# KiCad board nyx.kicad_pcb (continued)
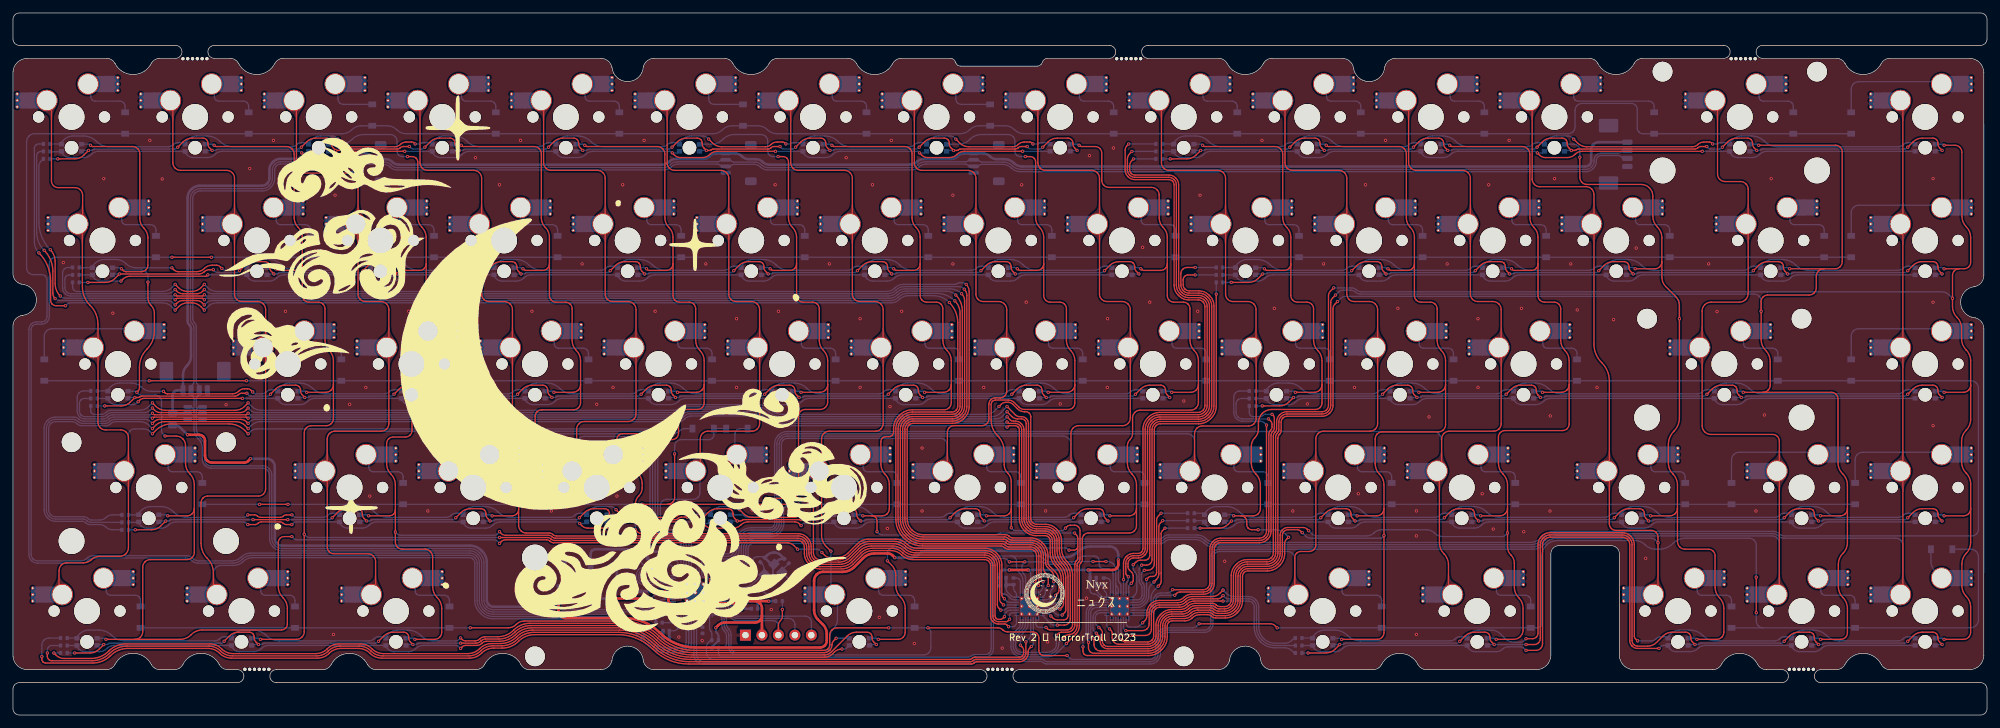
[diagram p0: board, top side]
## Copper pours and planes (outline as drawn; the poured copper is in the pictures) (continued)
Net-(D42-A) on Bottom: 235.94,57.24 235.99,57.55 236.12,57.74 236.31,57.88 236.53,58.02 236.75,58.25 235.41,59.22 234.9,57.65 235.14,57.6 235.37,57.58 235.56,57.55 235.69,57.45 235.74,57.24
Net-(D43-A) on Bottom: 266.89,57.24 266.95,57.55 267.08,57.74 267.27,57.88 267.49,58.02 267.7,58.25 266.37,59.22 265.86,57.65 266.1,57.6 266.32,57.58 266.51,57.55 266.65,57.45 266.69,57.24
Net-(D44-A) on Bottom: 294.08,59.47 294.75,59.38 295.19,59.12 295.52,58.76 295.86,58.33 296.35,57.88 297.33,59.22 296.81,60.78 296.18,60.51 295.31,59.94 294.81,59.75 294.08,59.67
Net-(D45-A) on Bottom: 24.01,38.19 24.06,38.5 24.19,38.69 24.38,38.83 24.6,38.97 24.82,39.2 23.48,40.17 22.97,38.6 23.21,38.55 23.44,38.53 23.63,38.5 23.76,38.4 23.81,38.19
Net-(D46-A) on Bottom: 54.96,38.19 55.01,38.5 55.15,38.69 55.34,38.83 55.56,38.97 55.77,39.2 54.44,40.17 53.93,38.6 54.17,38.55 54.39,38.53 54.58,38.5 54.71,38.4 54.76,38.19
Net-(D47-A) on Bottom: 74.01,38.19 74.06,38.5 74.2,38.69 74.39,38.83 74.61,38.97 74.82,39.2 73.49,40.17 72.98,38.6 73.22,38.55 73.44,38.53 73.63,38.5 73.76,38.4 73.81,38.19
Net-(D48-A) on Top: 93,42.52 92.91,42.12 92.68,41.92 92.35,41.81 91.96,41.7 91.57,41.5 92.54,40.17 94.11,40.68 93.9,41.11 93.66,41.41 93.44,41.68 93.27,42.02 93.2,42.52
Net-(D49-A) on Bottom: 111.2,43.32 111.12,42.62 110.91,42.13 110.63,41.74 110.32,41.31 110.03,40.7 111.59,40.17 112.92,41.14 112.49,41.61 112.08,41.94 111.73,42.26 111.49,42.68 111.4,43.32
Net-(D50-A) on Bottom: 131.16,38.19 131.21,38.5 131.35,38.69 131.54,38.83 131.76,38.97 131.97,39.2 130.64,40.17 130.13,38.6 130.37,38.55 130.59,38.53 130.78,38.5 130.91,38.4 130.96,38.19
Net-(D51-A) on Bottom: 150.21,38.19 150.26,38.5 150.4,38.69 150.59,38.83 150.81,38.97 151.02,39.2 149.69,40.17 149.18,38.6 149.42,38.55 149.64,38.53 149.83,38.5 149.96,38.4 150.01,38.19
Net-(D52-A) on Bottom: 169.26,38.19 169.31,38.5 169.45,38.69 169.64,38.83 169.86,38.97 170.07,39.2 168.74,40.17 168.23,38.6 168.47,38.55 168.69,38.53 168.88,38.5 169.01,38.4 169.06,38.19
Net-(D53-A) on Bottom: 188.31,38.19 188.36,38.5 188.5,38.69 188.69,38.83 188.91,38.97 189.12,39.2 187.79,40.17 187.28,38.6 187.52,38.55 187.74,38.53 187.93,38.5 188.06,38.4 188.11,38.19
Net-(D54-A) on Bottom: 207.36,38.19 207.41,38.5 207.55,38.69 207.74,38.83 207.96,38.97 208.17,39.2 206.84,40.17 206.33,38.6 206.57,38.55 206.79,38.53 206.98,38.5 207.11,38.4 207.16,38.19
Net-(D55-A) on Bottom: 226.41,38.19 226.46,38.5 226.6,38.69 226.79,38.83 227.01,38.97 227.22,39.2 225.89,40.17 225.38,38.6 225.62,38.55 225.84,38.53 226.03,38.5 226.16,38.4 226.21,38.19
Net-(D56-A) on Bottom: 252.61,38.19 252.66,38.5 252.79,38.69 252.98,38.83 253.2,38.97 253.42,39.2 252.08,40.17 251.57,38.6 251.81,38.55 252.04,38.53 252.23,38.5 252.36,38.4 252.41,38.19
Net-(D57-A) on Bottom: 275.03,40.42 275.7,40.33 276.14,40.07 276.47,39.71 276.81,39.28 277.3,38.83 278.28,40.17 277.76,41.73 277.13,41.46 276.26,40.89 275.76,40.7 275.03,40.62
Net-(D58-A) on Bottom: 294.08,40.42 294.75,40.33 295.19,40.07 295.52,39.71 295.86,39.28 296.35,38.83 297.33,40.17 296.81,41.73 296.18,41.46 295.31,40.89 294.81,40.7 294.08,40.62
Net-(D59-A) on Bottom: 14.48,19.14 14.53,19.45 14.67,19.64 14.86,19.78 15.08,19.92 15.29,20.15 13.96,21.12 13.45,19.55 13.69,19.5 13.91,19.48 14.1,19.45 14.23,19.35 14.28,19.14
Net-(D60-A) on Bottom: 38.29,19.14 38.35,19.45 38.48,19.64 38.67,19.78 38.89,19.92 39.1,20.15 37.77,21.12 37.26,19.55 37.5,19.5 37.72,19.48 37.91,19.45 38.05,19.35 38.09,19.14
Net-(D61-A) on Bottom: 62.11,19.14 62.16,19.45 62.29,19.64 62.48,19.78 62.7,19.92 62.92,20.15 61.58,21.12 61.07,19.55 61.31,19.5 61.54,19.48 61.73,19.45 61.86,19.35 61.91,19.14
Net-(D62-A) on Bottom: 133.54,19.14 133.6,19.45 133.73,19.64 133.92,19.78 134.14,19.92 134.35,20.15 133.02,21.12 132.51,19.55 132.75,19.5 132.97,19.48 133.16,19.45 133.3,19.35 133.34,19.14
Net-(D63-A) on Bottom: 204.98,19.14 205.03,19.45 205.17,19.64 205.36,19.78 205.58,19.92 205.79,20.15 204.46,21.12 203.95,19.55 204.19,19.5 204.41,19.48 204.6,19.45 204.73,19.35 204.78,19.14
Net-(D64-A) on Bottom: 228.79,19.14 228.85,19.45 228.98,19.64 229.17,19.78 229.39,19.92 229.6,20.15 228.27,21.12 227.76,19.55 228,19.5 228.22,19.48 228.41,19.45 228.55,19.35 228.59,19.14
Net-(D65-A) on Bottom: 259.75,19.14 259.8,19.45 259.94,19.64 260.13,19.78 260.34,19.92 260.56,20.15 259.22,21.12 258.71,19.55 258.95,19.5 259.18,19.48 259.37,19.45 259.5,19.35 259.55,19.14
Net-(D66-A) on Bottom: 278.8,19.14 278.85,19.45 278.99,19.64 279.18,19.78 279.39,19.92 279.61,20.15 278.27,21.12 277.76,19.55 278,19.5 278.23,19.48 278.42,19.45 278.55,19.35 278.6,19.14

Small or netless copper shapes (teardrops, artwork), in the pictures only: 405 on Top, 1039 on Bottom

## Text on the board
B.Fab: J2 | 1N4148
F.Silkscreen: ニュクス | Rev 2 Ⓒ HorrorTroll 2023 | Nyx | ________________
